# KiCad board pcb.kicad_pcb (continued)
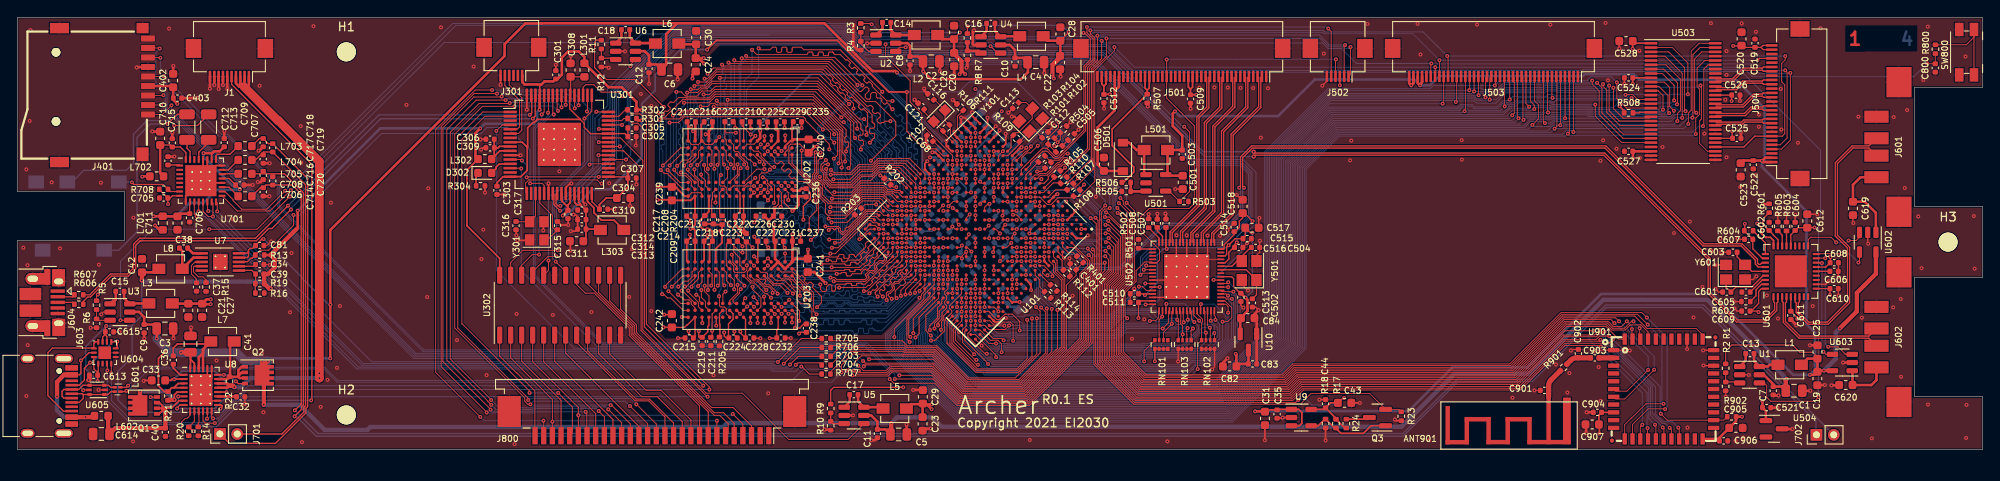
[diagram p0: board, top side]
## Routing (per net, layer and track width the routed paths; a pad name or vN(x,y) marks a point on that pad's centre or on a via; arc(x,y) is an arc through that point) (continued)
  Top w0.13: v1(152.75,42.14) 152.75,42.15 J502.3
  Top w0.15: v1(201.11,15.9) 201,16.01 C609.1 200.24,16.01 201.12,16.89 201.12,18.28 201.44,18.6 201.89,18.6 U601.36 ; J504.28 201.62,46.75 201.39,46.52 ; U601.29 201.56,22.11 200.45,23.22 C607.1 199.46,25.31 R604.2 199.52,25.38 v1(199.52,26.12) ; v1(205.58,15.12) 205.58,15.25 C611.1 U601.5 ; U601.15 207.79,21.1 208.87,21.1 C608.1 209.42,21.65 v1(209.42,22.25) ; C705.1 17.67,29.1 17.92,29.35 U701.8 ; C705.1 16.39,30.09 R708.1 ; C705.1 17.38,28.42 v1(17.41,28.38) ; J504.27 202.64,46.26 201.65,46.26 201.39,46.52 ; U503.34 C525.1 198.07,36.05 v1(198.07,36.81) ; U601.23 204.84,24.83 C604.1 205.67,25.66 C612.1 206.75,25.68 v1(207.57,25.68) ; 201.39,46.52 C519.1 199.35,46.52 C520.1 199.12,46.69 v1(198.18,46.69) ; v1(131.38,10.21) 131.39,10.22 RN101.5 RN101.8 ; U503.44 C526.1 198,40.98 v1(198,40.31) ; U601.10 C610.1 209.37,18.61 v1(209.37,17.88)
  Top w0.2: R508.1 185.59,39.18 v1(185.05,39.71) ; U503.1 186.82,47 C528.1 186.57,46.36 v1(186.57,46.36) ; 125.5,42.03 125.74,42.26 125.74,43.14 J501.38 ; 125.5,42.03 125.26,42.27 125.26,43.14 J501.39 ; 125.5,42.03 C512.1 125.52,41.1 v1(126.2,41.1) ; U503.9 C524.1 186.58,42.3 v1(186.58,42.29) ; v1(200.97,26.14) 201.43,25.68 201.43,25.01 201.9,24.55 202.48,24.55 202.84,24.18 202.84,23.55 U601.27 ; U901.9 C904.1 182.67,4 C907.1 182.73,2.85 v1(182.73,1.85)
  Top w0.3: U901.22 196.37,1.23 C906.1 196.6,1.38 C905.1 198.51,3.29 R902.1 198.51,3.8 v1(199.2,3.8) ; J401.4 17.85,42.05 C402.1 18,40.67 C403.1 18.02,40.45 v1(18.48,39.98) ; C27.2 21.84,17.37 v1(22.34,17.37) ; C27.2 C21.2 17.92,16.88 L3.2 ; C27.2 21.42,16.81 v1(22.34,16.81) ; U503.26 C527.1 186.6,34.48 v1(186.6,33.67) ; U504.1 201.96,4.46 C521.1 201.56,4.86 v1(201.56,5.64) ; v1(14.43,31.56) 14.47,31.6 L702.2 ; v1(15.9,25.92) 16.41,25.41 L701.2 ; J503.40 160.75,42.38 v1(161,42.12) 161.25,42.37 J503.39 ; v1(201.61,28.4) 202.32,28.4 R601.1
  Bottom w0.2: v2(113.31,27.62) 113.31,27.33 C125.1 ; v2(109.1,22.1) 109.1,21.42 C102.1 ; v2(117.02,23.91) 117.02,23.8 C115.1 ; C64.1 111.72,30.46 v2(111.72,30.27) ; C103.1 109.6,23.6 v2(109.6,22.87) ; v2(112.78,29.21) 112.91,29.21 C63.1 ; C114.1 115.43,22.45 v2(115.43,22.32) 115.43,21.72 115.06,21.34 115.04,21.34 C122.1 ; v2(113.79,27.06) 113.86,27.06 C108.1 ; v2(116.49,25.5) 116.82,25.5 C124.1
+3V3_SB: length 261.8
  Top w0.11: 102.74,41.42 v1(102.74,41.36) 102.74,36.81 104.85,34.7 105.37,34.7 105.45,34.78 106.11,34.78 106.91,33.99 U101.AD8 ; v1(120.26,37.87) 120.26,37.25 119.07,36.06 R103.2 119.95,34.41 R101.2
  Top w0.15: C613.1 9.28,9.01 9.35,9.08 U604.4 ; C613.1 9.27,8.59 v1(9.27,7.91) ; C613.1 9.28,8.89 8.84,9.33 U604.3 ; U301.32 66.38,29.59 66.38,28.66 C310.1 ; U604.12 10.35,13.08 10.13,13.29 ; v1(10.26,14.28) 10.16,14.18 C615.1 10.13,13.58 10.13,13.29 ; U301.33 70.37,31.55 C307.1 ; U301.61 60.34,40.99 60.34,42.03 60.9,42.59 ; 10.13,13.29 9.85,13.01 U604.13 ; U8.15 23.6,5.15 23.66,5.08 23.66,4.93 v1(23.45,4.72)
  Top w0.2: 63.6,28.1 C317.1 ; 63.6,28.1 63.54,28.1 62.87,28.77 62.87,29.6 U301.25 ; 63.6,28.1 63.6,28.3 63.85,28.55 U301.27 ; C310.1 67.23,27.81 67.23,28.31 68.02,29.1 C304.1 70.52,30.37 C307.1 ; L302.1 51.94,32.32 51.94,25.89 55.71,22.11 U302.24 ; v1(79.67,46.26) 80.73,47.32 94.7,47.32 100.66,41.36 v1(102.74,41.36)
  Top w0.3: v1(72.11,38.07) 71.74,38.07 R301.1 ; L8.2 15.95,20.5 C42.2 ; 32.26,25.52 32.38,25.64 v1(32.38,27.62) ; v1(53.46,37.15) 53.46,37.14 52.91,36.59 52.91,33.9 L302.1 ; C307.1 70.52,32.17 v1(70.55,32.2) ; R13.2 29.24,22.5 ; v1(60.32,39.3) 60.32,40.95 U301.61 ; J301.1 58.32,43.27 58.32,42.5 58.59,42.23 60.54,42.23 60.9,42.59 61.92,42.59 C301.1 62.41,42.87 62.9,43.35 62.9,45.33 63.6,46.04 64.86,46.04 65.5,45.4 L301.1 66.91,43.28 66.93,43.28 68.29,41.92 69.82,41.92 71.51,40.23 R302.1 72.1,39.3 v1(72.15,39.25) ; C317.1 63.6,27.66 v1(63,27.06)
  Top w0.5: 32.26,25.52 29.24,22.5 29.74,22 29.74,21.07 28.97,20.3 C39.1 28.51,20.27 R19.1 29.08,18.63 v1(29.26,18.63) ; v1(14.37,19.57) 14.4,19.6 C42.2
  Bottom w0.11: v1(102.74,41.36) 108.77,41.36 109.92,42.51 115.47,42.51 120.11,37.87 v1(120.26,37.87)
  Bottom w0.15: v1(23.45,4.72) 23.22,4.49 22.64,4.49 22.45,4.3 13.03,4.3 11.62,5.71 11.62,9.05 13.26,10.69 13.26,14.36 ; v1(9.27,7.91) 7.9,9.28 7.9,11.92 v1(10.26,14.28) 13.18,14.28 13.26,14.36 ; v1(14.37,19.57) 14.37,15.47 13.26,14.36
  Bottom w0.2: v1(72.15,39.25) 72.15,40.03 73.66,41.54 73.66,43.35 76.58,46.27 79.66,46.27 v1(79.67,46.26)
  Bottom w0.3: v1(60.32,39.3) 60.05,39.03 60.05,38.07 59.66,37.68 53.99,37.68 v1(53.46,37.15) 41.91,37.15 v1(32.38,27.62) ; v1(63,27.06) 63.4,27.06 66.44,30.1 68.45,30.1 v1(70.55,32.2) 72.11,33.76 v1(72.11,38.07) 72.15,38.11 v1(72.15,39.25)
  Bottom w0.5: v1(14.37,19.57) 14.52,19.42 28.47,19.42 v1(29.26,18.63)
+5V: length 243.1
  Top w0.13: R1.2 197.31,11.38 198.02,12.09 205.04,12.09 205.88,11.25 207.36,11.25 207.92,10.7 C25.2
  Top w0.2: C31.1 144.3,4.58 C35.1 145.57,4.65 U9.1 148.01,4.65 148.36,4.29 148.36,3.03 148.08,2.75 U9.3
  Top w0.3: v1(133.7,39.12) 133.45,38.87 133.45,37.41 134.55,36.32 C503.2 134.53,34.65 L501.1 132.85,32.01 U501.5 132.76,31.68 C501.2 ; C19.2 207.57,8.64 v1(207.04,8.64) ; C19.2 207.91,10.51 C25.2 206.77,10.51 L1.2 ; C19.2 208.04,9.11 U603.5 ; C523.1 199.36,33.43 200.5,33.43 C522.1 201.47,33.43 v1(201.5,33.39) ; J503.38 161.75,42.4 v1(162.01,42.13) 162.01,42.24 162.25,42.48 J503.37 ; v1(142.96,4.41) 144.06,4.41 C31.1 ; v1(201.5,33.39) 201.86,33.75 J504.2 ; v1(201.5,33.39) 201.65,33.25 J504.1
  Top w0.5: U602.5 214.67,20.33 212.46,18.12 212.46,15.98 v1(210.51,14.03)
  Bottom w0.3: 180.83,43.21 181.05,43.43 186.68,43.43 187.33,42.78 197.35,42.78 197.38,42.81 198.46,42.81 201.81,39.46 201.81,33.42 201.78,33.39 v1(201.5,33.39) 201.5,32.7 206.65,27.55 206.65,14.5 207.62,13.53 207.62,9.22 v1(207.04,8.64) 205.11,8.64 195.76,17.99 182.92,17.99 174.43,9.5 165.74,9.5 160.68,4.44 142.99,4.44 v1(142.96,4.41) ; v1(133.7,39.12) 134.25,38.57 145.62,38.57 149.85,42.8 161.34,42.8 v1(162.01,42.13) 163.16,42.13 164.23,43.2 180.82,43.2
  Bottom w0.5: v1(208.66,9.13) 210.03,10.5 210.03,13.55 v1(210.51,14.03)
+VCCIO_SD: length 60
  Top w0.1: U101.E7 v2(118.62,24.44)
  Top w0.11: v1(125.6,21.61) 125.6,20.69 124.54,19.63 124.54,9.94 129.03,5.45 147.65,5.45 v1(147.95,5.75) ; C43.1 153.09,5.96 v1(153.24,5.96)
  Top w0.2: R24.1 153.32,2.49 R17.1 152.3,3.62 C44.1 ; C44.1 150.93,4.65 U9.5 ; C44.1 151.68,5.4 C43.1
  Bottom w0.11: v1(147.95,5.75) 148.92,5.75 149.52,5.15 152.43,5.15 v1(153.24,5.96)
  Bottom w0.2: v1(125.6,21.61) 125.58,21.61 125.44,21.47 123.3,21.47 122.18,22.59 121.18,22.59 120,23.78 C123.1 118.62,24.42 v2(118.62,24.44)
/power/1V0_ARM: length 29.3
  Top w0.1: U101.D17 v2(113.31,18.08) ; U101.J22 v2(108.01,18.08) U101.J23 ; U101.F23 v2(109.07,15.95) ; U101.D20 v2(111.72,16.48) ; U101.F22 v2(109.6,16.48) ; U101.C17 v2(113.84,17.55)
  Top w0.11: v2(113.32,15.97) 112.81,16.48 U101.C20
  Top w0.15: v1(102.33,7.19) 94.28,7.19 93.94,6.85 R9.2
  Top w0.3: C29.2 104.52,5.25 103.2,5.25 L5.2 ; C29.2 104.56,5.29 C23.2 ; C29.2 104.68,5.23 v1(105.63,5.23) ; C29.2 104.94,5.32 v2(105.6,4.66)
  Bottom w0.1: 112.25,15.95 v2(111.72,16.48) ; v2(109.07,15.95) v2(109.6,16.48)
  Bottom w0.11: v2(113.32,15.97) 113.3,15.97 C48.1
  Bottom w0.2: v2(113.31,18.08) 113.31,18.13 C51.1 ; C45.1 113.84,17.38 v2(113.84,17.55) ; C48.1 112.67,15.54 112.25,15.95
  Bottom w0.3: v2(109.07,15.95) 109.05,15.95 C55.1 ; v1(116.6,16.07) 115.67,16.07 C60.1 115.23,16.51 114.71,16.51 C45.1
/power/VCC2P5: length 10
  Top w0.15: v1(18.45,4.74) 18.45,4.82 18.78,5.15 U8.8
  Top w0.3: U8.17 23.16,6.14 25.28,6.14 C32.2
  Bottom w0.15: v1(18.45,4.74) 22.8,4.74 24.2,6.14 v1(24.64,6.14)
/usb/VBUS1: length 10.5
  Top w0.3: U602.1 214.66,25.13 214.66,27.38 213.38,28.67 C619.1 212.02,30.62 212.9,31.5 J601.1
/usb/VBUS2: length 6.1
  Top w0.3: U603.1 211.97,9.08 C620.1 214.15,7.46 214.73,8.05 J602.1
GND: length 488.3
  Top w0.1: U101.G4 v2(119.15,27.09) ; U502.65 137.07,22 U502.69 ; U101.Y13 v2(107.48,29.21) U101.W13 ; U101.AC19 v2(101.65,27.62) ; U101.AB4 v2(110.66,35.58) ; U101.U20 v2(104.3,23.91) 104.29,23.92 104.29,24.48 104.3,24.47 U101.V20 ; U203.B3 88.76,20.02 89.06,20.02 89.41,19.67 89.48,19.67 90.96,18.19 v1(90.96,17.3) ; U101.P6 v2(113.84,30.27) ; U101.AB12 v2(106.42,31.33) ; U101.W7 v2(110.66,32.39) ; U101.K14 v2(111.72,22.85) ; U101.U11 v2(109.6,28.15) U101.T12 ; U101.R23 v2(103.77,21.26) ; v1(94.05,26.28) 95.84,26.28 R203.1 ; U101.K12 v2(113.31,24.44) ; U101.W4 v2(112.25,33.99) ; U101.N7 v2(114.37,28.68) ; U101.N15 109.9,24.74 v2(109.9,24.9) ; U101.U7 111.4,30.8 v2(111.2,31) ; U101.L13 v2(112.25,24.44) ; U101.C9 v2(118.62,22.32) ; U101.G22 v2(109.07,17.01) ; v2(108.75,26) 108.54,26.21 U101.T14 ; U101.D4 v2(120.74,25.5) ; v2(113.5,21.8) 113.84,22.14 U101.G13 ; U101.R13 109.6,26.8 v2(110,27.2) ; C511.2 C510.2 129,18.48 v1(129,18.61) ; U101.D22 v2(110.66,15.42) ; U101.AC9 v2(107.48,33.45) ; U101.Y18 v2(103.77,26.56) U101.Y19 ; U101.H16 v2(111.72,20.73) ; U101.G7 117.02,25.12 v2(116.9,25) 116.93,24.97 U101.F7 ; U101.N13 v2(111.19,25.5) ; U101.J7 115.96,26.59 115.4,27.15 v2(115,27.15) ; U101.AB5 v2(110.13,35.05) ; v2(110.2,22.9) 109.72,23.38 U101.M16 ; U101.N11 v2(112.25,26.56) U101.M10 ; U101.W9 v2(109.6,31.33) ; v1(88.68,22.68) 88.68,21.7 U203.B1 ; U101.K22 107.48,18.61 107.08,18.22 107.08,18.01 107.32,17.77 107.32,17.35 107.1,17.13 107.1,16.87 107.34,16.63 107.34,16.36 106.81,15.83 106.81,15.14 106.34,14.67 v1(106.34,14.39) ; U101.T16 107.71,25.5 v2(108.01,25.8) 108.31,25.5 U101.R15 ; U101.AA6 v2(110.13,33.99) ; U101.AB9 v2(108.01,32.92) ; U101.D10 v2(117.55,22.32) ; U101.T20 v2(104.83,23.38) ; U101.F13 v2(114.9,21.79) ; U101.N4 v2(115.96,30.27) ; U101.U19 v2(104.83,24.44) ; U101.J19 v2(109.6,19.67) ; v2(114.1,26) 113.84,25.74 U101.K10 ; U203.D1 86.7,22.08 v1(86.7,22.11) 86.69,22.11 U203.E1 ; U101.AA23 v2(100.58,24.44) ; U101.Y15 v2(105.36,28.15) ; U101.W17 v2(104.83,26.56) ; U101.G19 v2(110.66,18.61) ; U101.AC23 v2(99.52,25.5) ; U101.W11 108.04,29.74 v2(108,29.7) ; v1(86.7,21.28) 86.66,21.28 U203.E2 ; U101.K4 v2(117.55,28.68) ; v2(112.2,25.9) 111.8,25.5 U101.M12 ; U101.W15 106.42,27.73 v2(106.93,28.24) ; U101.P14 v2(109.07,25.5) ; U101.F11 v2(115.96,22.85) ; U101.C18 v2(113.31,17.01) ; U101.Y17 v2(104.83,27.62) U101.Y16 ; U101.AC21 v2(100.58,26.56) ; U101.L19 v2(108.54,20.73) ; U101.R19 v2(105.89,23.38) ; U101.C13 v2(116.49,20.2) ; U101.G17 v2(111.72,19.67) ; U101.H12 114.28,23.38 v2(114.8,23.9) ; U101.AA8 v2(109.07,32.92) ; U101.R7 v2(112.78,30.27) ; U101.R11 v2(110.66,28.15) ; U101.M24 U101.M25 104.83,18.36 104.43,17.96 104.43,17.82 104.19,17.58 v2(104.19,17.55) ; U101.D7 118.62,23.4 v2(118.62,23.4) ; U101.R21 v2(104.83,22.32) ; U101.AB7 v2(109.07,33.99) ; U101.T4 v2(113.84,32.39) ; U101.L7 v2(115.4,27.62) ; v1(99.68,31.7) 99.8,31.7 R202.1 ; U101.F8 v2(117.55,24.44) ; U101.P16 v2(108.01,24.44) ; U101.G9 v2(116.49,24.44) ; U101.K16 v2(110.66,21.79) ; U101.AC6 v2(109.07,35.05) ; U101.U23 v2(102.71,22.32) ; U101.AC12 v2(105.89,31.86) ; v2(113.5,25) 113,25.5 U101.L11 ; U101.W3 v2(112.78,34.52) ; U101.C16 v2(114.37,18.08) ; U101.Y6 v2(110.66,33.45) ; U101.W23 v2(101.65,23.38) ; U101.W20 v2(103.24,24.97) ; U101.G11 v2(115.43,23.38) ; U101.P12 v2(110.66,27.09) ; U101.W19 v2(103.77,25.5) ; U101.Y14 v2(105.89,28.68) ; U101.G15 v2(112.78,20.73) ; U101.T10 v2(110.66,29.21) ; U101.L15 v2(110.66,23.91) U101.M14 ; U101.AC15 v2(103.77,29.74) ; U101.AC17 v2(102.71,28.68) ; U101.N19 v2(107.48,21.79) ; C901.1 v1(175.22,6.84) ; U101.C15 v2(114.9,18.61)
  Top w0.11: U203.J2 83.08,21.19 82.93,21.33 82.93,21.34 82.64,21.63 82.64,22.41 v2(82.52,22.53) ; U101.AE25 U101.AE24 98.56,25.93 99.09,25.93 v2(99.52,25.5) ; v1(86.09,31.48) 86.27,31.48 86.66,31.09 86.66,30.8 87.08,30.39 U202.D8 ; C615.2 11.78,13.61 v1(11.79,13.6) ; U202.M9 80.68,28.62 v1(80.63,28.57) ; Y501.4 141.42,19.12 v2(142.14,18.4) ; v1(88.13,25.88) 88.28,26.03 C230.2 ; v1(182.23,11.45) 182.28,11.5 U901.1 186.19,11.5 v1(186.23,11.45) ; C504.1 143.5,22.82 143.12,22.44 Y501.2 ; U202.B9 88.58,29.2 88.58,28.55 v1(89.53,27.59) ; C237.2 90.48,24.8 v1(90.51,24.83) ; U101.B6 120.21,22.86 v1(120.89,22.18) 120.74,22.33 U101.A6 ; C505.1 118.31,32.16 v1(117.77,32.16) ; C902.1 179.56,11.58 v1(179.43,11.45) ; v1(121.52,22.12) 121.56,22.08 R112.2 ; v1(9.69,15.64) 9.95,15.9 U3.2 ; v1(86.74,23.37) 86.48,23.64 C227.2 ; C34.1 29.11,21.4 v2(29.16,21.34) ; v1(85.1,26.28) 85.32,26.5 C226.2 ; v1(83.75,23.5) 83.75,23.53 C223.2 ; v1(81.07,36.15) 81.07,36.1 U202.M1 80.27,35.29 79.49,35.29 U202.P1 78.65,35.27 77.91,35.27 U202.T1 ; U101.R20 v2(105.89,23.38) ; C221.2 82.91,37.69 v1(82.91,37.21) 83.17,37.21 83.45,36.93 83.45,35.27 U202.J2 ; C81.1 28.83,23.6 v2(29.31,24.08) ; U101.A25 110.66,12.75 v2(111.38,12.02) ; U101.C19 v2(113.31,17.01) ; U202.P9 79.08,29.56 78.93,29.7 77.88,29.7 U202.T9 ; U101.P10 111.72,28.01 112.12,28.41 v1(112.28,28.41) ; R6.1 8.48,14.09 v1(8.47,14.08) ; C240.2 90.39,35.34 89.85,35.34 89.84,35.33 89.33,35.33 89.09,35.08 89.09,34.8 88.68,34.39 U202.B3 ; U101.AA15 v2(105.36,28.15)
  Top w0.13: v1(197.32,6.12) 197.31,6.14 R2.1 ; U203.G1 85.1,21.28 v1(85.1,21.27) ; v1(199.99,8.62) 199.96,8.65 U1.2
  Top w0.15: U202.G8 85.05,29.73 v1(85.1,29.73) U202.G9 ; v1(76.31,12.89) 77.11,12.89 C215.2 ; v1(87.49,15.68) 87.49,15.69 U203.D8 ; RN102.1 RN102.4 138.29,9.55 v1(138,9.26) ; U203.T9 77.45,15.32 v1(76.75,15.32) ; v2(203.37,27.23) 203.34,27.2 R605.2 ; U602.2 213.72,23.87 v2(213.78,23.8) ; U502.69 134.67,19.6 U502.27 ; U502.69 137.47,22.4 U502.3 ; U502.69 133.87,21.2 U502.12 ; U502.69 U502.9 ; U502.69 132.67,17.6 U502.32 ; U203.G8 v1(85.08,15.69) ; v2(209.23,19.48) 208.86,19.11 U601.11 ; v1(79.12,14.63) 79.12,15.26 U203.P9 ; U202.E8 85.88,29.7 v1(85.88,29.7) 85.88,29.7 U202.F9 ; U203.M9 80.73,15.25 v1(80.73,14.33) ; C224.2 82.82,13.23 v1(82.82,13.66) ; C608.2 210.34,20.63 C606.2 210.32,20 v2(210.34,19.97) ; J502.6 151.25,42.62 v2(150.72,42.09) ; v2(192.86,11.61) 192.85,11.62 U901.36 ; v1(85.82,12.88) 85.09,12.88 C228.2 ; C515.2 142.53,24.37 v1(142.04,23.88) 141.56,23.4 C516.2 ; C607.2 198.75,24.32 v2(198.69,24.37) ; U203.J8 v1(83.49,15.69) ; v1(143.52,24.15) 143.5,24.13 C504.1 ; C232.2 88.68,12.9 v1(89.33,12.9) ; C502.1 143.02,16.47 v1(143.36,16.13) ; U8.29 22.45,5.65 U8.16 ; U8.29 21.95,7.65 U8.24 ; U8.29 22.45,8.15 U8.23 ; C32.1 26.28,5.27 v1(26.28,5.26) ; C609.2 198.64,16.01 v2(198.33,16.32) ; C604.2 205.34,27.14 v2(205.35,27.15) ; C517.2 143.38,26.71 v1(143.46,26.79) ; Y601.2 200.49,19.66 v2(200.85,20.03) ; v1(88.64,23.33) 88.48,23.5 C231.2 ; C514.2 139.77,25.39 v1(139.77,25.38) ; U203.G9 84.67,15.29 v1(84.67,14.64) ; v1(88.66,14.7) 88.66,15.28 U203.B9 ; U605.2 9.39,6.9 v1(9.38,6.9) ; C513.2 141.32,16.69 v1(141.61,16.4) ; v2(72.97,42.3) 72.95,42.32 C12.1 ; Y601.4 196.13,21.36 v2(196.1,21.34) ; v2(204.34,27.22) 204.34,27.22 R603.2 ; U203.F9 85.5,15.28 v1(85.5,14.64) ; U203.E8 86.69,15.69 v1(86.69,15.69) ; C302.2 71.48,35.23 v2(71.42,35.17) ; U502.6 136.27,22.37 U502.69 ; C603.1 196.8,22.82 v2(196.79,22.81) ; U101.J15 v2(111.72,22.85) ; v1(74.72,15.61) 75.53,15.61 C242.2 ; v2(212.06,26.2) 212.02,26.25 C619.2 ; v1(90.29,13.41) 90.44,13.56 C238.2 ; U901.31 194.78,9.7 v2(194.75,9.72) ; v2(210.35,17.77) 210.32,17.81 C610.2 ; v2(196.14,18.59) 196.52,18.21 C601.1 ; U901.33 194.74,11.5 v2(194.71,11.47) ; U203.A9 89.48,14.7 v1(89.48,14.7) ; RN103.4 RN103.1 134.09,10.22 v1(134.06,10.19) ; v2(112.69,22.83) 112.78,22.92 U101.J13 ; U101.J17 v2(110.66,21.79) ; v1(133.74,30.13) 133.75,30.12 C501.1 ; C222.2 83.47,27.55 83.47,29.71 U202.J8 ; U101.W2 v2(112.78,34.52) ; v1(140.86,29.44) 141.41,28.9 C518.2 ; C612.2 v2(207.89,27.21) ; R602.2 198.26,17.11 v2(198.25,17.12)
  Top w0.2: C528.2 185.02,46.41 v1(185.03,46.4) ; U701.9 19.45,29.35 U701.33 ; C43.2 155.06,5.4 v1(155.06,5.39) ; U301.26 63.36,29.63 63.36,30.3 63.84,30.78 v1(63.98,30.78) ; C210.2 84.67,37.2 v1(84.73,37.13) ; U2.2 99.16,46.98 v1(98.16,46.98) ; U101.AD9 U101.AE9 106.02,34.38 v1(105.7,34.38) ; U701.33 22.95,32.85 U701.24 ; U701.33 21.45,31.35 U701.28 ; Y301.2 60.75,26.27 v1(60.75,25.34) ; v1(88.7,36.33) 88.7,35.72 U202.B1 ; v1(105.1,33.36) 104.83,33.09 U101.AE12 U101.AD12 ; U101.AC2 U101.AC1 112.06,37.51 v1(112.06,38.37) ; U202.D1 87.11,35.74 v1(87.11,36.3) ; C216.2 79,37.58 79,35.78 U202.P1 ; C303.2 55.4,29.5 v1(56.26,29.5) ; v1(114.16,36.52) 114.16,35.36 U101.W1 ; U202.E1 86.29,35.72 v1(86.29,36.25) ; 81.4,25.33 R204.2 80.48,26.02 C208.2 C217.2 ; 81.4,25.33 81.4,23.94 80.68,23.22 U203.M1 ; 81.4,25.33 81.36,25.29 v1(81.21,25.29) ; U101.D2 U101.D1 122.16,27.45 v1(122.16,27.62) ; v1(71.5,30.66) 71.5,31.38 C307.2 ; C524.2 185.62,42.3 v1(185.61,42.29) ; U301.64 58.85,40.97 v1(58.85,39.31) ; v1(115.99,34.97) 115.89,34.97 U101.U1 ; v1(68.93,27.8) 68.2,27.8 C310.2 ; U202.G1 85.24,36.26 v1(85.24,36.28) ; v1(151.1,1.05) 151.1,1.06 R18.2 ; Y101.4 115.18,38.52 v1(114.87,38.52) ; U701.20 22.45,30.85 U701.33 21.95,31.35 U701.27 ; v1(53.5,35.87) 53.53,35.9 C306.2 ; C225.2 86.6,37.83 v1(86.6,37.15) ; v1(53.56,34.69) 53.77,34.9 C309.2 ; U202.T1 77.48,37.28 ; 77.48,37.28 77.54,37.34 v1(77.82,37.34) ; 77.48,37.28 77.48,37.79 C212.2 ; v1(77.67,26.18) 77.67,26.65 C213.2 ; U203.T1 77.32,21.86 C214.2 77.68,24.46 v1(77.68,24.85) ; U301.30 65.36,29.61 65.36,28.58 v1(65.6,28.34) ; v1(110.27,39.01) 110.27,38.62 U101.AE1 U101.AD1 ; v1(54.01,29.72) 54.01,30.5 R304.2 ; C33.1 14.66,8 v1(14.59,7.93) ; C31.2 144.1,1.09 v1(144.09,1.08) ; U6.2 v1(70.2,46.06) ; R12.1 68.21,44.25 v1(68.31,44.15) ; v1(55.81,42.18) 55.81,43.28 J301.6 ; Y301.4 59.12,24.19 v1(57.75,24.19) ; U203.P1 79.32,21.94 C218.2 79.72,24.5 v1(79.72,24.79) ; v1(62.2,44.5) 62.2,43.83 C301.2 ; v1(159.11,3.48) 159.26,3.34 R23.2 ; v2(118.62,22.32) U101.B9 U101.A9 ; v1(120.14,29.54) 120.01,29.54 U101.H1 U101.H2 ; v1(57.63,24.78) 57.63,25.39 C316.2 ; C113.2 114.46,38.96 v1(114.46,38.96) ; C317.2 63.63,26.69 v1(63.63,25.97) 62.81,25.97 C315.2 ; U202.T9 77.09,29.3 76.02,30.38 C239.2 75.57,30.4 v1(73.94,30.4) ; v1(86.68,35.29) 86.67,35.29 U202.E2 ; v1(108.24,36.76) 108.24,36.4 U101.AE5 U101.AD5 ; v1(150.39,5.75) 150.42,5.78 C44.2 ; U9.2 146.17,3.7 v1(146.15,3.68) 146.09,3.62 C35.2 ; v1(113.44,36.93) 113.44,36.76 U101.AA1 U101.AA2 ; v1(119.24,37.77) 118.9,37.77 Y101.2 ; v1(58.14,34.04) 56.93,34.04 U301.11 ; U101.AD7 107.9,34.52 107.31,35.11 v1(107.31,35.71) ; U101.A1 v1(122.89,25.5) ; v1(113.02,37.4) U101.AB1 U101.AB2 ; v1(122.58,37) 122.56,37 R102.1 ; C308.2 63.92,44.7 v1(63.92,45.54) ; v1(70.77,28.18) 70.77,29.07 C304.2 ; U101.B3 U101.A3 123.3,24.44 v1(123.64,24.77) ; v1(119.75,37.49) 119.75,37.45 C112.2 ; U101.B13 U101.A13 117.09,19.07 v1(117.09,18.45) ; v1(115.76,17.06) 114.95,17.06 U101.A17 U101.B17 ; v1(64.24,27.17) 64.46,27.17 64.72,26.91 C314.2 C313.2 64.48,25.26 v1(63.94,25.26) ; v1(63.87,23.02) 63.87,24.05 C311.2 ; U101.AD2 U101.AE2 109.42,38.4 v1(109,38.4) 109,37.77 U101.AE3 U101.AD3 ; v1(114.18,15.22) 113.99,15.22 113.53,14.76 112.92,14.76 U101.B21 ; C229.2 88.62,37.88 v1(88.62,37.2) ; C235.2 v1(90.58,37.2) ; v1(61.35,30.8) 61.35,29.63 U301.22 ; R104.1 v1(121.65,37.87)
  Top w0.3: v1(199.08,36.73) 199.08,36 C525.2 ; v1(209.53,7.43) 210.38,7.43 C620.2 ; C20.1 v1(108.21,43.35) ; C715.2 17.4,33.88 v1(18.14,33.88) ; C512.2 125.52,40.1 v1(125.52,39.44) ; C717.1 28.4,33.12 v1(29.15,33.12) ; v1(93.22,2.3) 93.88,2.3 R10.1 ; C710.2 15.6,36.78 v1(15.58,36.79) ; v1(118.62,43.56) 118.62,44.77 C4.1 ; v1(92.34,35.05) 92.13,35.05 C240.2 ; v1(22.24,41.74) 22.25,41.75 J1.10 ; v1(181.26,4.32) 182,4.32 C904.2 ; C3.1 18.04,13.96 v1(18.04,12.86) ; R106.1 108.06,40.44 v1(108.05,40.44) ; v1(93.36,19.25) 93.34,19.25 92.06,20.53 C241.2 ; v1(29.11,29.3) 28.42,29.3 C714.1 ; C6.1 76.27,43.92 v1(76.27,42.81) ; C521.2 202.54,4.84 v1(203.29,4.84) ; v1(181.19,1.88) 181.19,2.83 C907.2 ; C41.1 20.06,13.21 v1(20.06,14.12) ; C22.1 120.5,43.93 v1(120.5,43.14) ; C5.1 102.71,1.77 v1(102.71,2.92) ; v1(83.75,25.54) 84.2,25.1 C209.2 83.97,24.98 82.92,26.03 C222.2 ; v1(23.25,41.7) 23.25,41.71 J1.8 ; U504.3 203.87,2.37 v1(205.02,2.37) ; C121.2 103.64,40.46 v1(103.64,40.47) ; v1(132.6,27.3) 132.67,27.24 C507.2 ; C11.1 99.06,1.08 v1(98.63,1.08) ; v1(203.41,6.26) 202.87,6.26 C7.1 ; C403.2 20.85,40.65 v1(20.89,40.69) ; v1(89.53,27.59) 90.22,28.28 90.22,29.3 ; v1(109.63,44.18) 109.74,44.29 R8.1 ; v1(130.56,39.69) 130.56,40.03 R507.2 ; C716.1 28.12,30.94 v1(27.77,30.94) ; C23.1 104.79,2.42 v1(105.48,2.42) ; U4.2 111.27,46.78 110.48,46.78 110.36,46.9 110.36,48.35 v1(110.5,48.49) ; C707.2 23.9,36.84 v1(23.91,36.85) ; v1(77.99,42.92) 77.99,43.37 C24.1 ; v1(22.74,42.15) 22.75,42.16 J1.9 ; v1(96.53,3.95) 95.52,3.95 U5.2 ; C1.1 206.17,6.8 v1(207.09,6.8) ; J401.6 13.84,44.25 v1(13.78,44.19) ; C82.2 139.25,10.04 v1(139.77,10.56) ; C12.1 73.01,43.53 ; C29.1 104.57,6.89 v1(103.46,6.89) ; C508.2 131.67,27.28 v1(131.67,27.28) ; R502.1 130.67,27.23 v1(130.67,27.23) ; C509.2 135.52,40.05 v1(135.52,39.42) ; C9.1 v1(14.65,12.83) ; J1.6 24.25,41.71 v1(24.25,41.7) ; C718.1 27.94,34.56 v1(27.87,34.56) ; 90.22,29.3 U202.A9 ; 90.22,29.3 91.02,29.3 C236.2 ; J1.7 23.75,42.18 v1(23.76,42.16) ; v1(104.73,41.75) 104.73,41.57 C116.2 ; v1(205.46,14.37) 205.46,14.42 C611.2 ; v1(96.56,49.12) 96.56,46.71 97.07,46.2 R4.1 ; C25.1 207.91,12.06 v1(207.04,12.06) ; v1(18.01,44.37) 18,44.36 C402.2 ; C526.2 198.96,40.98 v1(198.96,40.31) ; C709.2 17.9,36.68 v1(17.88,36.69) ; v1(105.21,35.11) 104.99,35.33 104.99,36.27 C68.1 ; v1(143.36,16.13) 142.89,15.66 C84.2 143.14,14.95 U10.1 C83.2 ; v1(27.19,30.61) 26.19,30.61 C708.2 ; v1(208.77,7.46) 207.93,7.46 C19.1 ; v1(106.56,43.77) 106.56,44.85 C2.1 ; v1(103.11,43.79) 103.11,44.5 C8.1 ; U603.2 v1(210.88,10.06)
  Top w0.5: v1(8.22,8.04) 8.32,8.14 C613.2
  Bottom w0.1: v1(118.28,31.28) 118.22,31.34 C71.2 ; C53.2 107.48,21.87 v2(107.48,21.79)
  Bottom w0.11: C123.2 120.86,22.18 v1(120.89,22.18) ; C220.2 87.4,22.72 v1(86.74,23.37) ; v1(88.13,25.88) 88.64,25.38 C234.2 ; C56.2 113.22,17.11 v2(113.31,17.01) ; C125.2 112.28,27.66 v1(112.28,28.41) ; R207.2 88.67,23.36 v1(88.64,23.33) ; v1(85.1,26.28) 85.55,26.73 C205.2
  Bottom w0.2: C102.2 110.2,22.4 v2(110.2,22.9) ; v1(101.65,26.55) 101.65,26.33 C203.2 ; v2(110.66,23.91) 110.66,24.42 C103.2 ; v1(110.27,39.01) 109.86,38.6 C107.2 ; C105.2 112.32,40.08 v1(112.32,40.05) ; C52.2 120.77,28.67 v1(121.15,28.67) ; C62.2 105.58,24.44 v2(104.83,24.44) ; C72.2 110,26.72 v2(110,27.2) ; C45.2 115.51,17.06 v1(115.76,17.06) 116.44,17.06 C60.2 ; C49.2 116.49,20.58 v2(116.49,20.2) ; C122.2 113.49,20.73 v2(112.78,20.73) ; C73.2 108.34,24.44 v2(108.01,24.44) ; C75.2 108.01,25.53 v2(108.01,25.8) 108.01,26.33 C50.2 ; v2(103.77,25.5) 103.77,25.73 C202.2 ; v1(114.18,15.22) 113.9,15.22 C48.2 ; C67.1 109.61,18.61 v2(110.66,18.61) ; v2(111.72,22.85) 111.75,22.85 C120.2 ; C47.2 116.34,33.7 C74.2 115.73,34.71 v1(115.99,34.97) ; C46.2 117.09,19.29 v1(117.09,18.45) ; C204.2 103.47,24.97 v2(103.24,24.97) ; v2(112.25,24.44) 112.25,24.85 C109.2 ; C66.1 114.16,36.22 v1(114.16,36.52) ; R201.1 105.86,29.74 v1(105.89,29.74) ; C57.2 104.83,26.25 v2(104.83,26.56) 106.26,26.56 106.29,26.53 ; C101.2 110.66,21.52 v2(110.66,21.79) ; C58.2 113.43,36.93 v1(113.44,36.93) ; v2(109.07,35.05) 108.88,35.05 C69.1 ; v1(109,38.4) 109.06,38.34 C106.2 ; C51.2 112.83,19.67 v2(111.72,19.67) ; v2(107.48,21.79) 107.79,21.79 108.16,22.16 ; C201.2 103.96,26.56 v2(103.77,26.56) ; C118.2 113.5,22.72 v2(113.5,21.8) 113.8,21.8 C114.2
  Bottom w0.3: C65.1 106.01,33.79 v1(105.42,33.79) ; C115.2 117.74,24.44 v2(117.55,24.44) ; 107.06,29.86 107.48,29.44 v2(107.48,29.21) ; 105.42,32.51 105.89,32.04 v2(105.89,31.86) ; v2(109.6,28.15) 109.25,28.15 108.94,28.46 ; C59.2 110.01,33.99 v2(110.13,33.99) ; v2(112.25,33.99) 111.84,34.4 C54.2 ; C80.1 110.39,29.21 v2(110.66,29.21) 110.66,29.6 C70.1 ; C76.1 109.6,31.4 v2(109.6,31.33) ; C117.2 116.49,24.58 v2(116.49,24.44) ; v2(116.9,25) 117.68,25 C124.2 ; v2(111.2,31) 111.2,31.3 C64.2 ; C78.1 108.46,30.16 v2(108,29.7) ; C126.2 115.4,27.6 v2(115.4,27.62) ; v1(108.77,13.61) 108.77,13.66 C55.2 ; v2(112.78,34.52) 113.16,34.14 C111.2 ; v1(105.7,34.38) 105.95,34.38 C77.1 ; C63.2 113.84,29.64 v2(113.84,30.27) ; C119.2 114.88,26 v2(114.1,26) ; v2(117.55,28.68) 117.55,28.65 C61.2 ; C110.2 112.78,30.18 v2(112.78,30.27) ; v2(114.37,28.68) 114.4,28.68 C108.2
  vias: v1(0.69,23.34) v1(1.04,32.4) v1(1.04,6.18) v1(1.17,21.32) v1(1.2,12.08) v1(1.43,38) v1(1.52,48.51) v1(3.97,30.91) v1(4.92,23.27) v1(9.42,21.38) v1(9.65,30.86) v1(13.37,0.94) v1(13.41,26.82) v1(17.52,48.69) v1(23,10.3) v1(24.93,26.63) v1(27.98,42.08) v1(28.23,11.13) v1(28.42,4.31) v1(31.5,15.88) v1(31.67,22.73) v1(32.74,37.4) v1(32.78,33.18) v1(32.87,0.85) v1(34.2,48.97) v1(35.03,4.93) v1(35.83,8.06) v1(36.22,28.55) v1(36.92,9.45) v1(37.26,16.6) v1(44.94,39.86) v1(47.34,17.64) v1(47.46,30.22) v1(48.93,48.83) v1(50.78,12.66) v1(52.7,44.29) v1(53.6,22.03) v1(53.82,25.43) v1(54.2,8.61) v1(57.43,0.62) v1(57.66,15.68) v1(61.85,15.56) v1(62.6,32.18) v1(66.3,15.9) v1(70.67,17.65) v1(71,23.18) v1(80.4,8.6) v1(86.72,6.5) v1(116.94,1.1) v1(121.88,17.78) v1(124.57,29.24) v1(128.74,12.81) v1(130.16,15.06) v1(132.83,0.94) v1(133.88,24.78) v1(135.06,24.77) v1(136.27,24.76) v1(136.53,41.85) v1(137.47,24.75) v1(138.26,41.89) v1(138.92,24.72) v1(139.81,41.86) v1(141.27,41.83) v1(142.74,41.81) v1(143.62,36.07) v1(144.44,41.79) v1(150.9,45.79) v1(154.07,35.73) v1(155.95,49.23) v1(161.73,49.23) v1(162.07,45.69) v1(163.06,1.07) v1(166.83,35.78) v1(168.59,49.15) v1(172.68,5.99) v1(177.06,49.15) v1(177.71,9.84) v1(179.03,6.59) v1(179.26,8.83) v1(182.64,9.54) v1(182.87,5.63) v1(183.16,35.77) v1(183.44,49.34) v1(183.72,42.71) v1(184.7,34.79) v1(187.34,46.12) v1(187.41,33.72) v1(190.02,34.99) v1(192.9,2.53) v1(193.59,15.28) v1(194.86,36.54) v1(195.61,49.31) v1(197.27,40.46) v1(197.41,46.09) v1(197.41,43.33) v1(197.41,33.8) v1(198.45,1.02) v1(199.01,30.37) v1(199.16,49.29) v1(199.34,1.38) v1(200.74,31.72) v1(200.8,48.32) v1(201.15,38.74) v1(201.14,37.33) v1(203.68,41.72) v1(203.75,37.01) v1(205.66,35.48) v1(208.26,48.72) v1(212.64,38.5) v1(213.04,15.24) v1(214.2,1.29) v1(216.66,16.44) v1(216.72,38.45) v1(217.54,17.4) v1(217.57,8.41) v1(218,30.26) v1(218.26,39.27) v1(219.56,26.96) v1(219.94,20.97) v1(220.14,42.75) v1(220.66,48.91) v1(220.68,5.21) v1(225.01,45.46) v1(225.08,1.34) v1(225.13,5.16) v1(225.98,27) v1(226.07,20.92) v2(68.36,30.8) v2(72.02,41.13) v2(73.23,39.76) v2(73.23,16.02) v2(153.94,33.45) v2(166.84,33.52) v2(182.85,33.39) v2(191.34,25.04) v2(193.18,26.36) v2(194.62,18.81) v2(195.66,22.96) v2(196.7,24.39) v2(202.07,17.83) v2(203.35,15.15) v2(207.37,16.59)
